# Altium PCB 全兼容主控.PCBDOC (part 6 of 9)
Units mil, origin at the board's own origin, x right, y up, seen from the top; angles counter-clockwise.
Board outline 7562.36 x 15046.55 mil, 2 copper layers (TopLayer, BottomLayer); 375 components, 257 nets, 1094 pads, 839 vias.
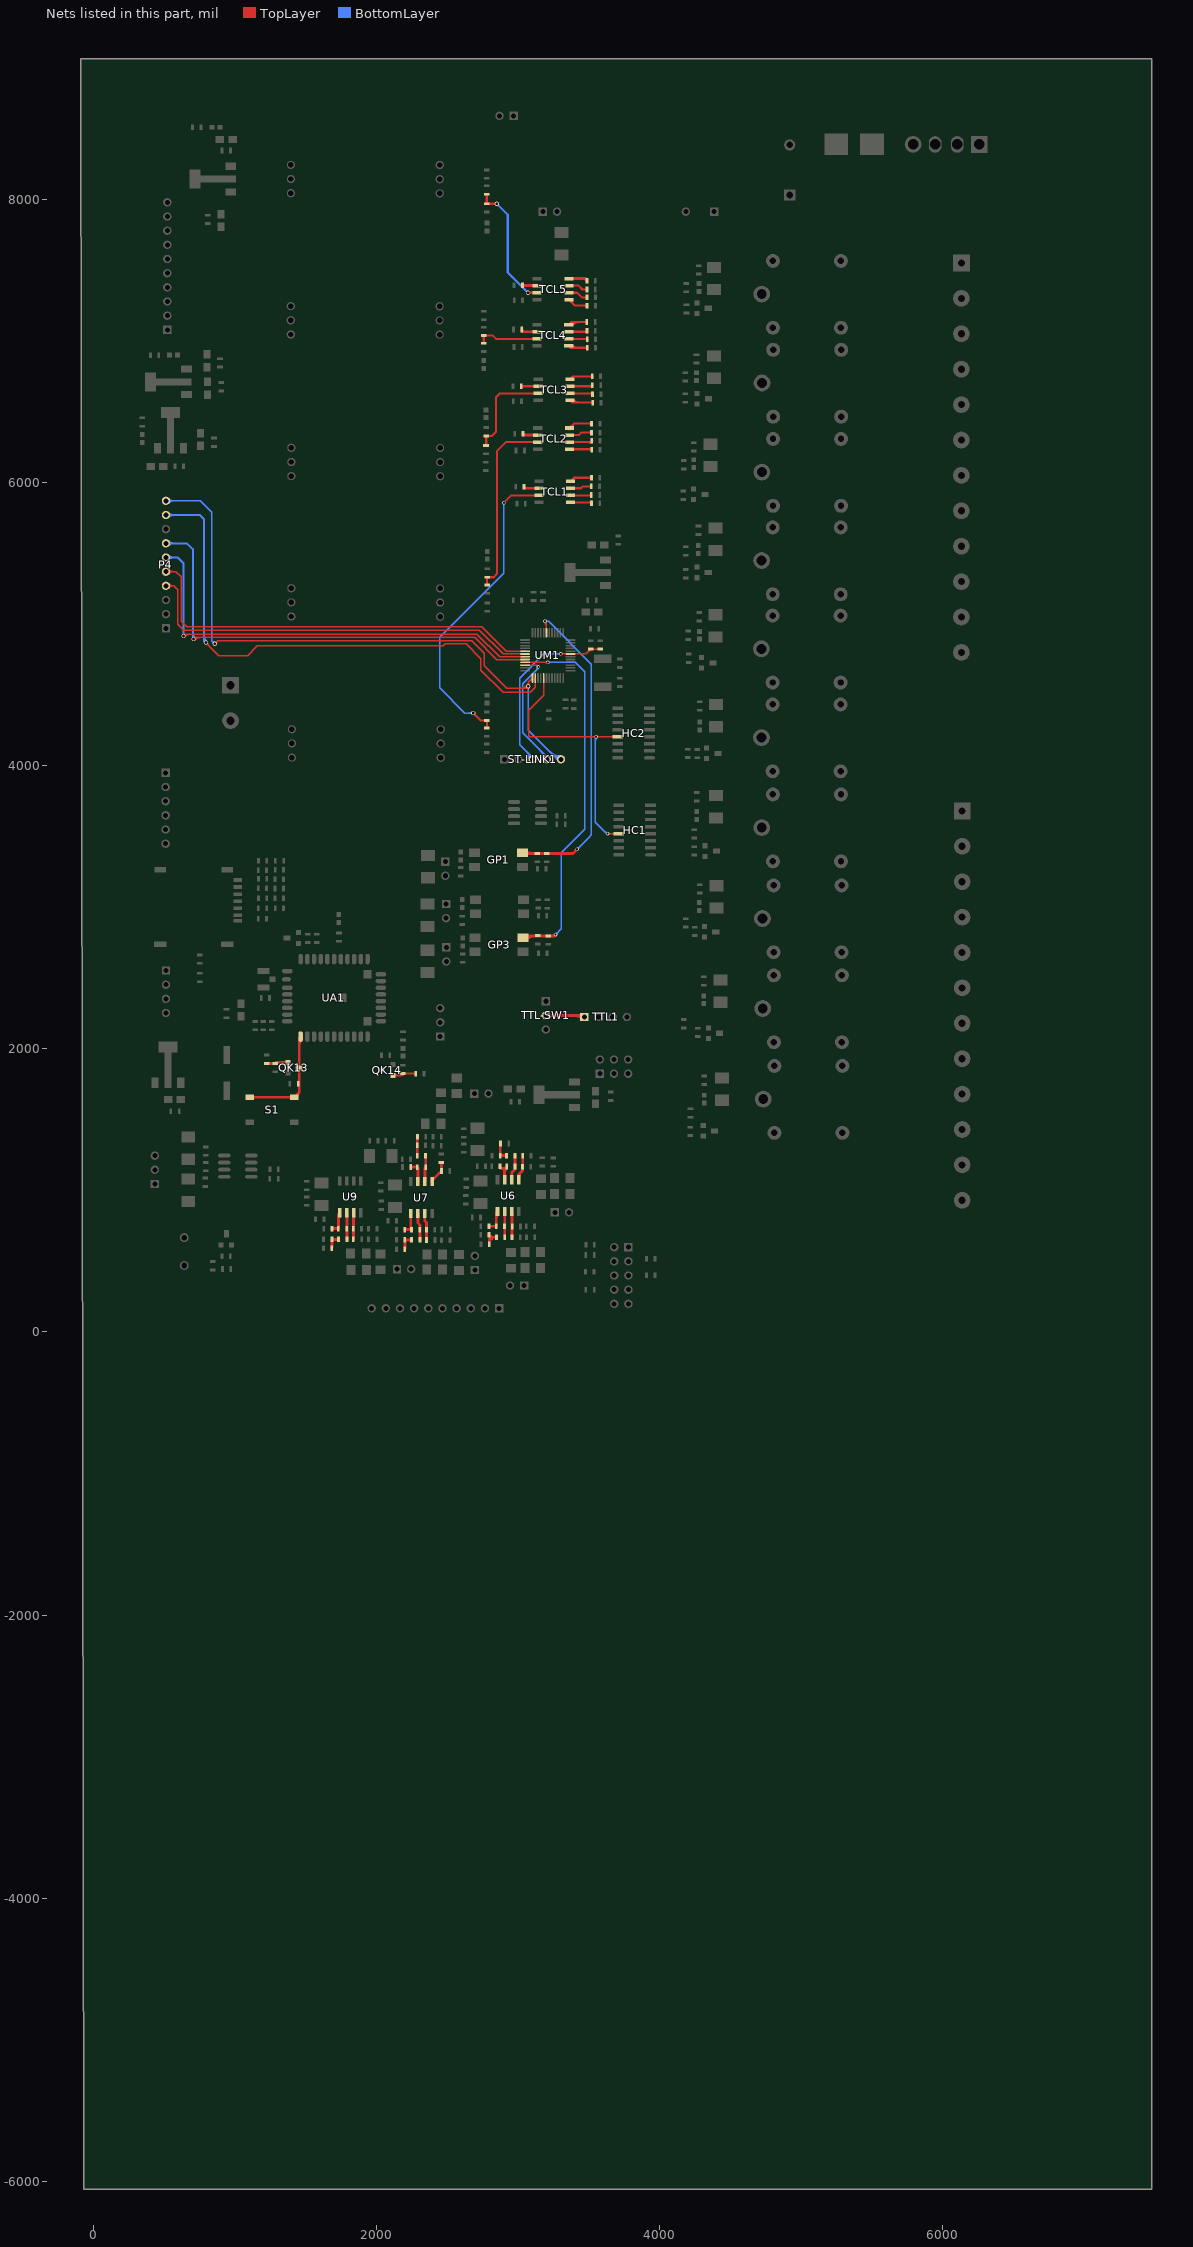
[diagram p6: the nets of this part, all layers, seen from the top]

## Via types
v1: diameter 30, hole 20, TopLayer to BottomLayer, 758 vias
v2: diameter 25, hole 15, TopLayer to BottomLayer, 81 vias

## Nets (pads, with @x,y where several pads share a name; then routed paths per layer and width w, separated by ;. In a path a pad name is that pad's centre, name@x,y a point inside that pad or via, vN(x,y) a via of type N, cw(c..) or ccw(c..) an arc to the next point about the centre after c; other vN are vias at no path point) (continued)
NetQK13_1: QK13.1 S1.1 UA1.1 VR1.1 | length 1503.9
  TopLayer w20: S1.1@1105.96,1657.18 S1.1@1420.92,1657.18 1455.18,1691.43 1455.18,2075.73 UA1.1@1465.07,2085.62 ; S1.1@1122.65,1650.33 cw(c1139.19,1633.8) 1139.19,1657.18 ; S1.1@1122.65,1650.33 cw(c1139.19,1633.8) 1139.19,1657.18 ; S1.1@1122.65,1650.33 cw(c1139.19,1633.8) 1139.19,1657.18 ; S1.1@1122.65,1664.03 ccw(c1139.19,1680.56) 1139.19,1657.18 ; S1.1@1122.65,1664.03 ccw(c1139.19,1680.56) 1139.19,1657.18 ; S1.1@1122.65,1664.03 ccw(c1139.19,1680.56) 1139.19,1657.18 ; 1387.7,1657.18 cw(c1387.7,1633.8) S1.1@1404.23,1650.33 ; 1387.7,1657.18 ccw(c1387.7,1680.56) S1.1@1404.23,1664.03 ; 1387.7,1657.18 cw(c1387.7,1633.8) S1.1@1404.23,1650.33 ; 1387.7,1657.18 ccw(c1387.7,1680.56) S1.1@1404.23,1664.03 ; 1387.7,1657.18 cw(c1387.7,1633.8) S1.1@1404.23,1650.33 ; 1387.7,1657.18 ccw(c1387.7,1680.56) S1.1@1404.23,1664.03 ; S1.1@1440.45,1657.18 cw(c1487.6,1657.18) 1454.26,1690.51 ; S1.1@1440.45,1657.18 cw(c1487.6,1657.18) 1454.26,1690.51 ; S1.1@1440.45,1657.18 cw(c1487.6,1657.18) 1454.26,1690.51 ; VR1.1@1447.94,1743.4 cw(c1430.47,1725.93) 1455.18,1725.93 ; VR1.1@1447.94,1743.4 cw(c1430.47,1725.93) 1455.18,1725.93 ; VR1.1@1447.94,1743.4 cw(c1430.47,1725.93) 1455.18,1725.93 ; VR1.1@1447.94,1762.86 ccw(c1430.47,1780.33) 1455.18,1780.33 ; VR1.1@1447.94,1762.86 ccw(c1430.47,1780.33) 1455.18,1780.33 ; VR1.1@1447.94,1762.86 ccw(c1430.47,1780.33) 1455.18,1780.33 ; QK13.1@1449.52,1859.09 cw(c1435.86,1845.44) 1455.18,1845.44 ; QK13.1@1449.52,1859.09 cw(c1435.86,1845.44) 1455.18,1845.44 ; QK13.1@1449.52,1859.09 cw(c1435.86,1845.44) 1455.18,1845.44 ; QK13.1@1449.52,1870.41 ccw(c1435.86,1884.06) 1455.18,1884.06 ; QK13.1@1449.52,1870.41 ccw(c1435.86,1884.06) 1455.18,1884.06 ; QK13.1@1449.52,1870.41 ccw(c1435.86,1884.06) 1455.18,1884.06 ; 1455.18,1845.44 cw(c1474.49,1845.44) QK13.1@1460.83,1859.09 ; 1455.18,1845.44 cw(c1474.49,1845.44) QK13.1@1460.83,1859.09 ; 1455.18,1845.44 cw(c1474.49,1845.44) QK13.1@1460.83,1859.09 ; 1455.18,1884.06 ccw(c1474.49,1884.06) QK13.1@1460.83,1870.41 ; 1455.18,1884.06 ccw(c1474.49,1884.06) QK13.1@1460.83,1870.41 ; 1455.18,1884.06 ccw(c1474.49,1884.06) QK13.1@1460.83,1870.41 ; 1455.18,2026.21 cw(c1502.83,2026.21) UA1.1@1469.13,2059.91 ; 1455.18,2026.21 cw(c1502.83,2026.21) UA1.1@1469.13,2059.91 ; 1455.18,2026.21 cw(c1502.83,2026.21) UA1.1@1469.13,2059.91
NetQK13_2: QK13.2 RH43.1 RI13.1 | length 302.4
  TopLayer w20: RH43.1@1224.75,1896.16 1225.44,1895.47 RI13.1@1284.4,1895.47 1291.68,1902.75 QK13.2@1375.18,1902.75 ; RI13.1@1294.13,1895.58 cw(c1311.44,1878.28) 1311.44,1902.75 ; RI13.1@1294.13,1895.58 cw(c1311.44,1878.28) 1311.44,1902.75 ; RI13.1@1294.13,1895.58 cw(c1311.44,1878.28) 1311.44,1902.75 ; 1355.86,1902.75 cw(c1355.86,1883.44) QK13.2@1369.52,1897.09 ; 1355.86,1902.75 ccw(c1355.86,1922.06) QK13.2@1369.52,1908.41 ; 1355.86,1902.75 cw(c1355.86,1883.44) QK13.2@1369.52,1897.09 ; 1355.86,1902.75 ccw(c1355.86,1922.06) QK13.2@1369.52,1908.41 ; 1355.86,1902.75 cw(c1355.86,1883.44) QK13.2@1369.52,1897.09 ; 1355.86,1902.75 ccw(c1355.86,1922.06) QK13.2@1369.52,1908.41
NetQK14_2: QK14.2 RH44.1 RI14.1 | length 445.5
  TopLayer w15: QK14.2@2116.67,1811.81 2175.09,1811.81 RI14.1@2186.97,1823.69 2275.48,1823.69 RH44.1@2277.22,1821.95 ; QK14.2@2124.09,1804.39 cw(c2142.02,1786.46) 2142.02,1811.81 ; QK14.2@2124.09,1804.39 cw(c2142.02,1786.46) 2142.02,1811.81 ; QK14.2@2124.09,1804.39 cw(c2142.02,1786.46) 2142.02,1811.81 ; QK14.2@2124.09,1819.24 ccw(c2142.02,1837.16) 2142.02,1811.81 ; QK14.2@2124.09,1819.24 ccw(c2142.02,1837.16) 2142.02,1811.81 ; QK14.2@2124.09,1819.24 ccw(c2142.02,1837.16) 2142.02,1811.81 ; 2142.79,1811.81 ccw(c2142.79,1858.03) RI14.1@2175.47,1825.35 ; 2142.79,1811.81 ccw(c2142.79,1858.03) RI14.1@2175.47,1825.35 ; 2142.79,1811.81 ccw(c2142.79,1858.03) RI14.1@2175.47,1825.35 ; 2179,1811.81 ccw(c2179,1821.82) RI14.1@2186.08,1814.74 ; 2179,1811.81 ccw(c2179,1821.82) RI14.1@2186.08,1814.74 ; 2179,1811.81 ccw(c2179,1821.82) RI14.1@2186.08,1814.74 ; 2267.35,1823.69 cw(c2267.35,1812.07) RH44.1@2275.57,1820.29 ; 2267.35,1823.69 cw(c2267.35,1812.07) RH44.1@2275.57,1820.29 ; 2267.35,1823.69 cw(c2267.35,1812.07) RH44.1@2275.57,1820.29
NetRA1_1: RA1.1 RF1.1 U6.1 | length 248.1
  TopLayer w20: RF1.1@2795.93,746.56 2797.03,745.46 RA1.1@2846.17,745.46 2846.17,840.98 U6.1@2855.43,850.24 ; 2846.17,801.84 cw(c2883.84,801.84) U6.1@2857.2,828.47 ; 2846.17,801.84 cw(c2883.84,801.84) U6.1@2857.2,828.47 ; 2846.17,801.84 cw(c2883.84,801.84) U6.1@2857.2,828.47
NetRA1_2: RA1.2 RY1.1 U6.2 | length 182.7
  TopLayer w20: U6.2@2905.43,850.24 2906.4,849.27 RY1.1@2906.4,667.92
NetRA2_1: RA2.1 RF2.1 U6.7 | length 607.7
  TopLayer w20: RF2.1@2873.11,1168.97 2888.8,1153.27 2905.43,1153.27 ; U6.7@2905.43,1074.65 2905.43,1153.27 ; RA2.1@2920.21,1168.04 2905.43,1153.27 ; RF2.1@2873,1159.01 ccw(c2886.86,1172.87) 2886.86,1153.27 ; RF2.1@2873,1159.01 ccw(c2886.86,1172.87) 2886.86,1153.27 ; RF2.1@2873,1159.01 ccw(c2886.86,1172.87) 2886.86,1153.27 ; RF2.1@2873,1159.01 ccw(c2886.86,1172.87) 2886.86,1153.27 ; RF2.1@2873,1159.01 ccw(c2886.86,1172.87) 2886.86,1153.27 ; RF2.1@2873,1159.01 ccw(c2886.86,1172.87) 2886.86,1153.27 ; RF2.1@2873.11,1159.28 cw(c2873.11,1135.9) 2889.64,1152.43 ; RF2.1@2873.11,1159.28 cw(c2873.11,1135.9) 2889.64,1152.43 ; RF2.1@2873.11,1159.28 cw(c2873.11,1135.9) 2889.64,1152.43 ; 2903.67,1151.51 cw(c2920.21,1134.98) RA2.1@2920.21,1158.36 ; 2903.67,1151.51 cw(c2920.21,1134.98) RA2.1@2920.21,1158.36 ; 2903.67,1151.51 cw(c2920.21,1134.98) RA2.1@2920.21,1158.36 ; 2905.43,1122.91 cw(c2955.5,1122.91) RA2.1@2920.1,1158.31 ; 2905.43,1122.91 cw(c2955.5,1122.91) RA2.1@2920.1,1158.31 ; 2905.43,1122.91 cw(c2955.5,1122.91) RA2.1@2920.1,1158.31 ; 2905.43,1142.62 cw(c2921.2,1142.62) RA2.1@2920.2,1158.36 ; 2905.43,1142.62 cw(c2921.2,1142.62) RA2.1@2920.2,1158.36 ; 2905.43,1142.62 cw(c2921.2,1142.62) RA2.1@2920.2,1158.36 ; 2908.68,1153.27 ccw(c2908.68,1169.73) RA2.1@2920.32,1158.09 ; 2908.68,1153.27 ccw(c2908.68,1169.73) RA2.1@2920.32,1158.09 ; 2908.68,1153.27 ccw(c2908.68,1169.73) RA2.1@2920.32,1158.09 ; 2908.68,1153.27 ccw(c2908.68,1169.73) RA2.1@2920.32,1158.09 ; 2908.68,1153.27 ccw(c2908.68,1169.73) RA2.1@2920.32,1158.09 ; 2908.68,1153.27 ccw(c2908.68,1169.73) RA2.1@2920.32,1158.09
NetRA2_2: RA2.2 RY2.1 U6.6 | length 238.1
  TopLayer w20: U6.6@2955.43,1074.65 2955.43,1123.99 2979.26,1147.82 2979.26,1243.32 RY2.1@2978.24,1244.34 ; 2972.19,1140.76 ccw(c2954.75,1158.2) RA2.2@2979.42,1158.2 ; 2972.19,1140.76 ccw(c2954.75,1158.2) RA2.2@2979.42,1158.2 ; 2972.19,1140.76 ccw(c2954.75,1158.2) RA2.2@2979.42,1158.2
NetRA3_1: RA3.1 RF3.1 U7.1 | length 202.6
  TopLayer w20: RF3.1@2200.23,722.54 2200.53,722.24 RA3.1@2247.77,722.24 2242.88,727.14 U7.1@2242.88,836.64 ; 2242.88,743.53 ccw(c2259.22,743.53) RA3.1@2247.66,731.98 ; 2242.88,743.53 ccw(c2259.22,743.53) RA3.1@2247.66,731.98 ; 2242.88,743.53 ccw(c2259.22,743.53) RA3.1@2247.66,731.98
NetRA3_2: RA3.2 RY3.1 U7.2 | length 193.5
  TopLayer w20: U7.2@2292.88,836.64 2292.88,768.18 2306.83,754.23 RA3.2@2306.83,722.24 2307.14,721.93 RY3.1@2307.14,649.09
NetRA4_1: RA4.1 RF4.1 U7.7 | length 150.3
  TopLayer w20: RF4.1@2243.13,1164.43 2244.31,1163.25 RA4.1@2289.23,1163.25 2292.88,1159.61 U7.7@2292.88,1061.05
NetRA4_2: RA4.2 RY4.1 U7.6 | length 226.9
  TopLayer w20: U7.6@2342.88,1061.05 2342.88,1157.84 RA4.2@2348.29,1163.25 2348.29,1241.59 RY4.1@2347.2,1242.67 ; 2342.88,1140.73 cw(c2360.97,1140.73) RA4.2@2348.18,1153.52 ; 2342.88,1140.73 cw(c2360.97,1140.73) RA4.2@2348.18,1153.52 ; 2342.88,1140.73 cw(c2360.97,1140.73) RA4.2@2348.18,1153.52
NetRA5_1: RA5.1 RF5.1 U9.1 | length 246
  TopLayer w20: RF5.1@1687.47,728.65 1687.99,729.17 RA5.1@1731.21,729.17 1731.21,831.45 U9.1@1740.26,840.49 ; 1731.21,792.63 cw(c1768.12,792.63) U9.1@1742.02,818.72 ; 1731.21,792.63 cw(c1768.12,792.63) U9.1@1742.02,818.72 ; 1731.21,792.63 cw(c1768.12,792.63) U9.1@1742.02,818.72
NetRA5_2: RA5.2 RY5.1 U9.2 | length 188.3
  TopLayer w20: U9.2@1790.26,840.49 1791.65,839.09 RY5.1@1791.65,652.76
NetRE2_2: RE2.2 RW1.1 RY1.2 | length 391.1
  TopLayer w20: RE2.2@2796,686.29 2814.37,667.92 ; RW1.1@2797.13,618.71 2797.13,650.67 2814.37,667.92 ; RY1.2@2847.35,667.92 2814.37,667.92 ; RE2.2@2795.89,676.33 ccw(c2816.21,696.65) 2816.21,667.92 ; RE2.2@2795.89,676.33 ccw(c2816.21,696.65) 2816.21,667.92 ; RE2.2@2795.89,676.33 ccw(c2816.21,696.65) 2816.21,667.92 ; RE2.2@2795.88,676.34 ccw(c2814.37,692.42) 2814.37,667.92 ; RE2.2@2795.88,676.34 ccw(c2814.37,692.42) 2814.37,667.92 ; RE2.2@2795.88,676.34 ccw(c2814.37,692.42) 2814.37,667.92 ; RE2.2@2796,676.6 cw(c2796,653.22) 2812.53,669.75 ; RE2.2@2796.02,676.6 cw(c2793.84,656.19) 2814.37,656.19 ; RE2.2@2796,676.6 cw(c2796,653.22) 2812.53,669.75 ; RE2.2@2796.02,676.6 cw(c2793.84,656.19) 2814.37,656.19 ; RE2.2@2796,676.6 cw(c2796,653.22) 2812.53,669.75 ; RE2.2@2796.02,676.6 cw(c2793.84,656.19) 2814.37,656.19
NetRE4_2: RE4.2 RW2.1 RY2.2 | length 130.9
  TopLayer w20: RE4.2@2875.84,1330.09 2875.18,1329.43 RW2.1@2875.18,1243.7 2875.83,1244.34 RY2.2@2919.18,1244.34
NetRE6_2: RE6.2 RW3.1 RY3.2 | length 111.7
  TopLayer w20: RW3.1@2200.82,584.68 2200.82,585.67 2200.93,585.78 RE6.2@2200.93,649.18 2201.02,649.09 RY3.2@2248.09,649.09
NetRE8_2: RE8.2 RW4.1 RY4.2 | length 136
  TopLayer w20: RY4.2@2288.15,1242.67 2288.15,1376.3 RW4.1@2289.83,1377.99
NetRE10_2: RE10.2 RW5.1 RY5.2 | length 109.5
  TopLayer w20: RW5.1@1685.02,591.02 1685.87,591.87 RE10.2@1685.87,653.27 1686.38,652.76 RY5.2@1732.6,652.76
NetRH5_2: RH5.2 TCL1.1 | length 194.9
  TopLayer w15: TCL1.1@3371.87,5858.08 3512.9,5858.08 RH5.2@3518.73,5852.25 ; 3503.39,5858.08 ccw(c3503.39,5877.43) RH5.2@3517.07,5863.75 ; 3503.39,5858.08 ccw(c3503.39,5877.43) RH5.2@3517.07,5863.75 ; 3503.39,5858.08 ccw(c3503.39,5877.43) RH5.2@3517.07,5863.75
NetRH6_2: RH6.2 TCL1.2 | length 179.4
  TopLayer w15: TCL1.2@3371.87,5908.08 3515.6,5908.08 RH6.2@3517.96,5910.44 ; 3506.6,5908.08 ccw(c3506.6,5921.8) RH6.2@3516.3,5912.1 ; 3506.6,5908.08 ccw(c3506.6,5921.8) RH6.2@3516.3,5912.1 ; 3506.6,5908.08 ccw(c3506.6,5921.8) RH6.2@3516.3,5912.1
NetRH7_2: RH7.2 RJ7.1 TCL1.7 | length 2530
  TopLayer w15: v1(2684.51,4370.55) 2737.04,4318.01 RJ7.1@2780.14,4318.01 2780.14,4265.7 RH7.2@2779.93,4265.48 ; v2(2900.38,5855.8) 2952.67,5908.08 TCL1.7@3147.46,5908.08 ; v1@2684.51,4363.05 cw(c2684.51,4344.94) 2697.31,4357.74 ; v1@2684.51,4363.05 cw(c2684.51,4344.94) 2697.31,4357.74 ; v1@2684.51,4363.05 cw(c2684.51,4344.94) 2697.31,4357.74 ; v1@2692.01,4370.55 ccw(c2710.12,4370.55) 2697.31,4357.74 ; v1@2692.01,4370.55 ccw(c2710.12,4370.55) 2697.31,4357.74 ; v1@2692.01,4370.55 ccw(c2710.12,4370.55) 2697.31,4357.74
  BottomLayer w10: v1(2684.51,4370.55) 2624.36,4370.55 2446.78,4548.12 2446.78,4905.1 2900.38,5358.7 v2(2900.38,5855.8) ; 2660.37,4370.55 cw(c2660.37,4346.41) v1@2677.44,4363.48 ; 2660.37,4370.55 ccw(c2660.37,4394.69) v1@2677.44,4377.62 ; 2660.37,4370.55 cw(c2660.37,4346.41) v1@2677.44,4363.48 ; 2660.37,4370.55 ccw(c2660.37,4394.69) v1@2677.44,4377.62 ; 2660.37,4370.55 cw(c2660.37,4346.41) v1@2677.44,4363.48 ; 2660.37,4370.55 ccw(c2660.37,4394.69) v1@2677.44,4377.62 ; v2@2895.08,5850.49 cw(c2882.27,5837.69) 2900.38,5837.69 ; v2@2895.08,5850.49 cw(c2882.27,5837.69) 2900.38,5837.69 ; v2@2895.08,5850.49 cw(c2882.27,5837.69) 2900.38,5837.69 ; 2900.38,5837.69 cw(c2918.49,5837.69) v2@2905.68,5850.49 ; 2900.38,5837.69 cw(c2918.49,5837.69) v2@2905.68,5850.49 ; 2900.38,5837.69 cw(c2918.49,5837.69) v2@2905.68,5850.49
NetRH8_2: RH8.2 TCL1.3 | length 151
  TopLayer w15: TCL1.3@3371.87,5958.08 3444.72,5958.08 3458.19,5971.55 RH8.2@3517.29,5971.55
NetRH9_2: RH9.2 TCL1.6 | length 108.4
  TopLayer w20: RH9.2@3042.94,5967.47 3052.33,5958.08 TCL1.6@3147.46,5958.08
NetRH10_2: RH10.2 TCL1.4 | length 291.6
  TopLayer w15: TCL1.4@3371.87,6008.08 3396.27,6032.48 ; RH10.2@3518.42,6032.48 3396.27,6032.48 ; TCL1.4@3384.37,6001.46 cw(c3395.17,6011.01) 3384.98,6021.2 ; TCL1.4@3384.37,6001.46 cw(c3395.17,6011.01) 3384.98,6021.2 ; TCL1.4@3384.37,6001.46 cw(c3395.17,6011.01) 3384.98,6021.2 ; TCL1.4@3395.61,6011.39 cw(c3407.16,6021.59) 3396.27,6032.48 ; TCL1.4@3395.61,6011.39 cw(c3407.16,6021.59) 3396.27,6032.48 ; TCL1.4@3395.61,6011.39 cw(c3407.16,6021.59) 3396.27,6032.48
NetRH14_2: RH14.2 TCL2.1 | length 193.8
  TopLayer w15: TCL2.1@3363.54,6233.5 3518.44,6233.5 RH14.2@3521.14,6230.8 ; 3508.97,6233.5 cw(c3508.97,6218.63) RH14.2@3519.49,6229.14 ; 3508.97,6233.5 cw(c3508.97,6218.63) RH14.2@3519.49,6229.14 ; 3508.97,6233.5 cw(c3508.97,6218.63) RH14.2@3519.49,6229.14
NetRH15_2: RH15.2 TCL2.2 | length 217.4
  TopLayer w15: TCL2.2@3363.54,6283.5 3509.98,6283.5 RH15.2@3520.36,6293.89 ; 3505.05,6278.58 cw(c3514.89,6268.74) RH15.2@3519.58,6281.84 ; 3505.05,6278.58 cw(c3514.89,6268.74) RH15.2@3519.58,6281.84 ; 3505.05,6278.58 cw(c3514.89,6268.74) RH15.2@3519.58,6281.84 ; RH15.2@3521.81,6295.33 cw(c3523.72,6293.42) RH15.2@3524.63,6295.97 ; RH15.2@3521.81,6295.33 cw(c3523.72,6293.42) RH15.2@3524.63,6295.97 ; RH15.2@3521.81,6295.33 cw(c3523.72,6293.42) RH15.2@3524.63,6295.97
NetRH16_2: RH16.2 RJ11.1 TCL2.7 | length 1314.6
  TopLayer w15: RH16.2@2782.59,5275.24 2782.4,5275.43 RJ11.1@2782.4,5329.89 2828.51,5329.89 2851.16,5352.53 2851.16,6220.06 2914.59,6283.5 TCL2.7@3139.13,6283.5
NetRH17_2: RH17.2 TCL2.3 | length 163.5
  TopLayer w15: TCL2.3@3363.54,6333.5 3428.86,6333.5 3446.27,6350.92 RH17.2@3519.87,6350.92
NetRH18_2: RH18.2 TCL2.6 | length 106.8
  TopLayer w20: RH18.2@3035.77,6341.88 3044.14,6333.5 TCL2.6@3139.13,6333.5
NetRH19_2: RH19.2 TCL2.4 | length 344.6
  TopLayer w15: TCL2.4@3363.54,6383.5 3394.47,6414.44 ; RH19.2@3519.47,6414.44 3394.47,6414.44 ; TCL2.4@3360.16,6374.64 cw(c3366.32,6376.97) TCL2.4@3361.66,6381.63 ; TCL2.4@3360.16,6374.64 cw(c3366.32,6376.97) TCL2.4@3361.66,6381.63 ; TCL2.4@3360.16,6374.64 cw(c3366.32,6376.97) TCL2.4@3361.66,6381.63 ; TCL2.4@3374.19,6379.95 cw(c3390.1,6385.99) 3378.07,6398.03 ; TCL2.4@3374.19,6379.95 cw(c3390.1,6385.99) 3378.07,6398.03 ; TCL2.4@3374.19,6379.95 cw(c3390.1,6385.99) 3378.07,6398.03 ; TCL2.4@3388.21,6385.27 cw(c3413.89,6395.01) 3394.47,6414.44 ; TCL2.4@3388.21,6385.27 cw(c3413.89,6395.01) 3394.47,6414.44 ; TCL2.4@3388.21,6385.27 cw(c3413.89,6395.01) 3394.47,6414.44
NetRH20_2: RH20.2 TCL3.1 | length 386.6
  TopLayer w15: TCL3.1@3367.9,6578.38 3383.35,6562.92 RH20.2@3527.91,6562.92 ; TCL3.1@3380.83,6571.31 ccw(c3401.07,6591.54) 3401.07,6562.92 ; TCL3.1@3380.83,6571.31 ccw(c3401.07,6591.54) 3401.07,6562.92 ; TCL3.1@3380.83,6571.31 ccw(c3401.07,6591.54) 3401.07,6562.92 ; TCL3.1@3391.44,6581.91 ccw(c3437.28,6627.76) 3437.28,6562.92 ; TCL3.1@3391.44,6581.91 ccw(c3437.28,6627.76) 3437.28,6562.92 ; TCL3.1@3391.44,6581.91 ccw(c3437.28,6627.76) 3437.28,6562.92
NetRH22_2: RH22.2 TCL3.2 | length 198.3
  TopLayer w15: TCL3.2@3367.9,6628.38 3519.78,6628.38 RH22.2@3526.72,6621.43 ; 3514.07,6628.38 ccw(c3514.07,6643.93) RH22.2@3525.06,6632.93 ; 3514.07,6628.38 ccw(c3514.07,6643.93) RH22.2@3525.06,6632.93 ; 3514.07,6628.38 ccw(c3514.07,6643.93) RH22.2@3525.06,6632.93
NetRH23_2: RH23.2 RJ15.1 TCL3.7 | length 729.6
  TopLayer w15: RH23.2@2774.32,6260.28 2776.06,6262.02 RJ15.1@2776.06,6327.53 2814.91,6327.53 2844.46,6357.08 2844.46,6599.84 2872.99,6628.38 TCL3.7@3143.49,6628.38 ; RH23.2@2772.66,6261.93 ccw(c2764.46,6270.14) 2776.06,6270.14 ; RH23.2@2772.66,6261.93 ccw(c2764.46,6270.14) 2776.06,6270.14 ; RH23.2@2772.66,6261.93 ccw(c2764.46,6270.14) 2776.06,6270.14
NetRH26_2: RH26.2 TCL3.3 | length 192.5
  TopLayer w15: TCL3.3@3367.9,6678.38 3517.45,6678.38 RH26.2@3524.92,6685.85 ; 3513.54,6678.38 cw(c3513.54,6664.63) RH26.2@3523.27,6674.35 ; 3513.54,6678.38 cw(c3513.54,6664.63) RH26.2@3523.27,6674.35 ; 3513.54,6678.38 cw(c3513.54,6664.63) RH26.2@3523.27,6674.35
NetRH27_2: RH27.2 TCL3.6 | length 119.7
  TopLayer w20: RH27.2@3023.78,6678.42 3023.82,6678.38 TCL3.6@3143.49,6678.38
NetRH28_2: RH28.2 TCL3.4 | length 165
  TopLayer w15: TCL3.4@3367.9,6728.38 3387.93,6748.4 RH28.2@3524.61,6748.4
NetRH30_2: RH30.2 TCL4.1 | length 315.9
  TopLayer w15: TCL4.1@3358.9,6963.13 3371.9,6950.14 RH30.2@3488.81,6950.14 ; TCL4.1@3371.83,6956.06 ccw(c3386.13,6970.36) 3386.13,6950.14 ; TCL4.1@3371.83,6956.06 ccw(c3386.13,6970.36) 3386.13,6950.14 ; TCL4.1@3371.83,6956.06 ccw(c3386.13,6970.36) 3386.13,6950.14 ; TCL4.1@3382.44,6966.67 ccw(c3422.35,7006.58) 3422.35,6950.14 ; TCL4.1@3382.44,6966.67 ccw(c3422.35,7006.58) 3422.35,6950.14 ; TCL4.1@3382.44,6966.67 ccw(c3422.35,7006.58) 3422.35,6950.14
NetRH31_2: RH31.2 TCL4.2 | length 171.8
  TopLayer w15: TCL4.2@3358.9,7013.13 3485.17,7013.13 RH31.2@3488.57,7009.73 ; 3474.69,7013.13 cw(c3474.69,6995.85) RH31.2@3486.92,7008.07 ; 3474.69,7013.13 cw(c3474.69,6995.85) RH31.2@3486.92,7008.07 ; 3474.69,7013.13 cw(c3474.69,6995.85) RH31.2@3486.92,7008.07
NetRH32_2: RH32.2 RJ17.1 TCL4.7 | length 440.2
  TopLayer w15: RJ17.1@2758.76,6982.41 2758.06,6983.11 RH32.2@2758.06,7036.28 2822.79,7036.28 2845.94,7013.13 TCL4.7@3134.49,7013.13
NetRH33_2: RH33.2 TCL4.3 | length 159.2
  TopLayer w15: TCL4.3@3358.9,7063.13 3479.27,7063.13 RH33.2@3487.36,7071.22 ; 3477.47,7063.14 cw(c3477.47,7051.49) RH33.2@3485.7,7059.73 ; 3477.47,7063.14 cw(c3477.47,7051.49) RH33.2@3485.7,7059.73 ; 3477.47,7063.14 cw(c3477.47,7051.49) RH33.2@3485.7,7059.73
NetRH34_2: RH34.2 TCL4.6 | length 270.9
  TopLayer w20: RH34.2@3026.92,7079.4 3043.18,7063.13 TCL4.6@3134.49,7063.13 ; RH34.2@3026.81,7069.44 ccw(c3042.04,7084.67) 3042.04,7063.13 ; RH34.2@3026.81,7069.44 ccw(c3042.04,7084.67) 3042.04,7063.13 ; RH34.2@3026.81,7069.44 ccw(c3042.04,7084.67) 3042.04,7063.13 ; RH34.2@3026.81,7069.44 ccw(c3042.04,7084.67) 3042.04,7063.13 ; RH34.2@3026.81,7069.44 ccw(c3042.04,7084.67) 3042.04,7063.13 ; RH34.2@3026.81,7069.44 ccw(c3042.04,7084.67) 3042.04,7063.13 ; RH34.2@3026.92,7069.71 cw(c3026.92,7046.33) 3043.45,7062.86 ; RH34.2@3026.92,7069.71 cw(c3026.92,7046.33) 3043.45,7062.86 ; RH34.2@3026.92,7069.71 cw(c3026.92,7046.33) 3043.45,7062.86
NetRH35_2: RH35.2 TCL4.4 | length 417.6
  TopLayer w15: TCL4.4@3358.9,7113.13 3378.21,7132.44 RH35.2@3486.31,7132.44 ; TCL4.4@3371.83,7120.21 cw(c3401.37,7090.67) 3401.37,7132.44 ; TCL4.4@3371.83,7120.21 cw(c3401.37,7090.67) 3401.37,7132.44 ; TCL4.4@3371.83,7120.21 cw(c3401.37,7090.67) 3401.37,7132.44 ; TCL4.4@3382.44,7109.6 cw(c3437.58,7054.46) 3437.58,7132.44 ; TCL4.4@3382.44,7109.6 cw(c3437.58,7054.46) 3437.58,7132.44 ; TCL4.4@3382.44,7109.6 cw(c3437.58,7054.46) 3437.58,7132.44
NetRH36_2: RH36.2 TCL5.1 | length 321
  TopLayer w15: TCL5.1@3359.74,7289.15 3400.41,7248.47 RH36.2@3487.48,7248.47 ; TCL5.1@3356.47,7298.28 ccw(c3362.9,7295.76) TCL5.1@3358.01,7290.87 ; TCL5.1@3356.47,7298.28 ccw(c3362.9,7295.76) TCL5.1@3358.01,7290.87 ; TCL5.1@3356.47,7298.28 ccw(c3362.9,7295.76) TCL5.1@3358.01,7290.87 ; TCL5.1@3370.43,7292.8 ccw(c3386.16,7286.62) 3374.21,7274.67 ; TCL5.1@3370.43,7292.8 ccw(c3386.16,7286.62) 3374.21,7274.67 ; TCL5.1@3370.43,7292.8 ccw(c3386.16,7286.62) 3374.21,7274.67 ; TCL5.1@3384.39,7287.32 ccw(c3409.42,7277.49) 3390.41,7258.47 ; TCL5.1@3384.39,7287.32 ccw(c3409.42,7277.49) 3390.41,7258.47 ; TCL5.1@3384.39,7287.32 ccw(c3409.42,7277.49) 3390.41,7258.47
NetRH37_2: RH37.2 TCL5.2 | length 141.5
  TopLayer w15: TCL5.2@3359.74,7339.15 3417.86,7339.15 3451.04,7305.96 RH37.2@3487.5,7305.96
NetRH38_2: RH38.2 RJ18.1 TCL5.7 | length 1178.3
  TopLayer w15: v1@3070.98,7339.15 TCL5.7@3135.33,7339.15 ; v1@3076.14,7333.6 cw(c3089.52,7320.21) 3089.52,7339.14 ; v1@3076.14,7333.6 cw(c3089.52,7320.21) 3089.52,7339.14 ; v1@3076.14,7333.6 cw(c3089.52,7320.21) 3089.52,7339.14 ; v1@3076.14,7344.21 ccw(c3088.36,7356.43) 3088.36,7339.15 ; v1@3076.14,7344.21 ccw(c3088.36,7356.43) 3088.36,7339.15 ; v1@3076.14,7344.21 ccw(c3088.36,7356.43) 3088.36,7339.15